# Altium PCB DSO.PcbDoc (part 2 of 2)
Units mil, origin at the board's own origin, x right, y up, seen from the top; angles counter-clockwise.
Board outline 4334 x 3942 mil, 2 copper layers (Top Layer, Bottom Layer), stack 61.855 mil thick; 129 components, 117 nets, 532 pads, 253 vias.
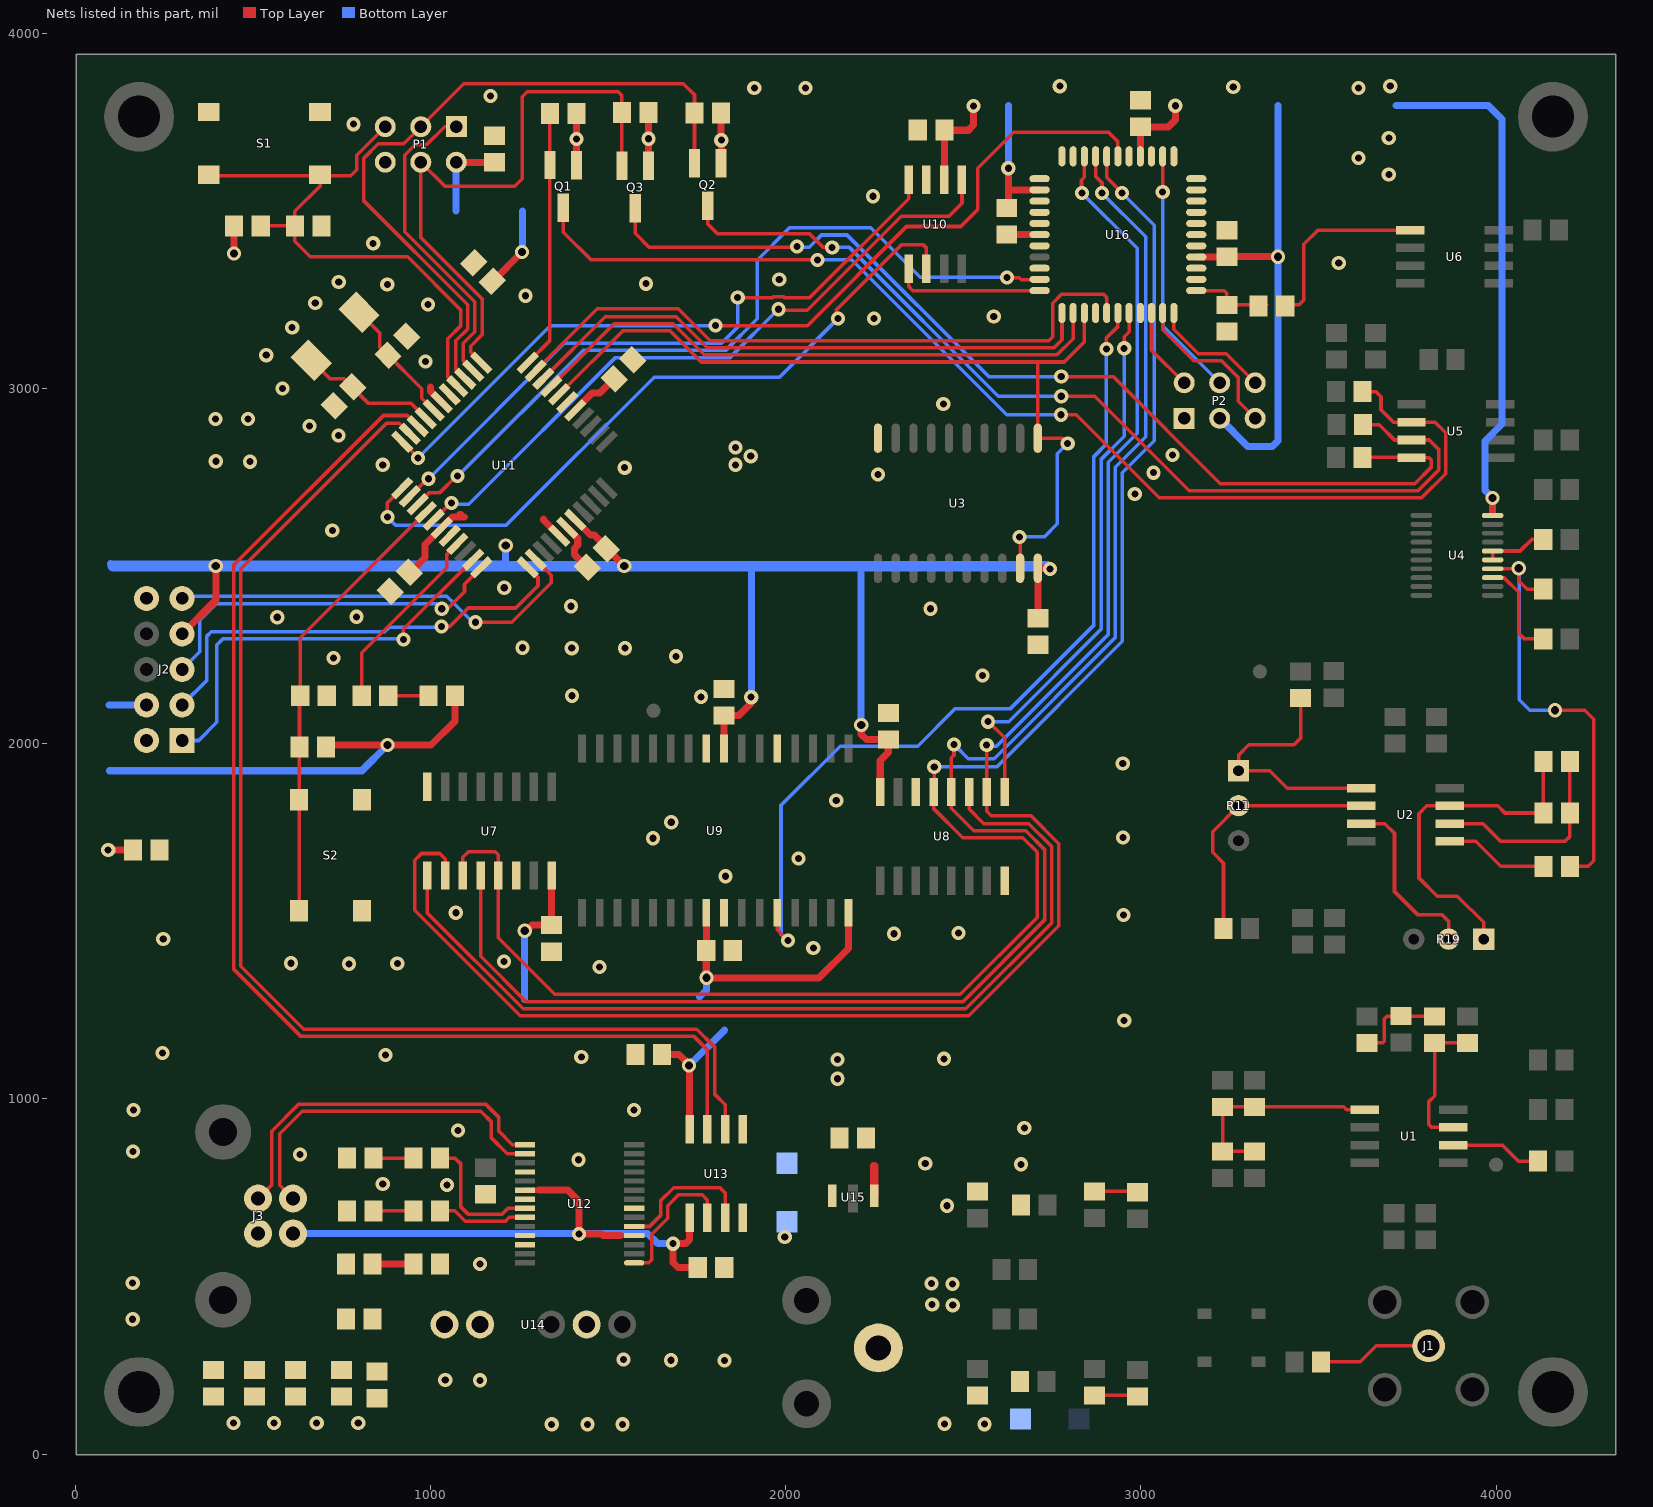
[diagram p2: the nets of this part, all layers, seen from the top]

## Via types
v1: diameter 40, hole 20, Top Layer to Bottom Layer, tented both sides, 208 vias
v2: diameter 40, hole 23, Top Layer to Bottom Layer, tented both sides, 44 vias
v3: diameter 40, hole 20, Top Layer to Bottom Layer, tented bottom, 1 vias

## Nets (pads, with @x,y where several pads share a name; then routed paths per layer and width w, separated by ;. In a path a pad name is that pad's centre, name@x,y a point inside that pad or via, vN(x,y) a via of type N, cw(c..) or ccw(c..) an arc to the next point about the centre after c; other vN are vias at no path point) (continued)
CLEAR_COUNT: U7.10 U8.10 U16.31 | length 4914.7
  Top Layer w10: U7.10@1041.52,1629 1041.52,1675.48 1026,1691 975,1691 956,1672 956,1530.78 1252.78,1234 2515.85,1234 2769,1487.15 2769,1718.85 2690.85,1797 2579,1797 2566.41,1809.59 U8.10@2566.41,1864 2566,1864.41 v1(2566,1996) ; v1(2834.36,3550) 2833,3551.36 2833,3586.48 2841.01,3594.49 U16.31@2841.01,3653.47
  Bottom Layer w10: v1(2566,1996) 2563,1993 2593.72,1993 2908,2307.28 2908,2792 2990,2874 2990,3394.36 v1(2834.36,3550)
COUNTER_CLK: U7.11 U7.13 U8.13 U16.29 | length 4847.1
  Top Layer w10: U7.11@1091.52,1629 1091.52,1680.39 1107.13,1696 1182.56,1696 1191.52,1687.04 U7.13@1191.52,1629 1191.52,1453.35 1349.87,1295 2492,1295 2708,1511 2708,1695 2668,1735 2499,1735 2416.41,1817.59 U8.13@2416.41,1864 2418.5,1866.09 v1(2418.5,1935) ; U16.29@2904,3653.47 2904,3594 v1@2947,3551
  Bottom Layer w10: v1@2416,1935 v1(2418.5,1935) 2595,1935 2948,2288 2948,2763 3038,2853 3038,3459.28 2947.28,3550 v1(2947,3550)
CPLD_TCK: P2.6 U16.11 | length 337.1
  Top Layer w10: U16.11@3092.98,3212.53 3092.98,3167.02 3162,3098 3240,3098 P2.6@3322,3016
CPLD_TD0: P2.4 U16.24 | length 704
  Top Layer w10: v1(3061.48,3553) U16.24@3061.48,3653.47
  Bottom Layer w10: v1(3061.48,3553) 3061.48,3176.52 P2.4@3222,3016
CPLD_TDI: P2.2 U16.9 | length 234.6
  Top Layer w10: U16.9@3029.99,3212.53 3029.99,3108.01 P2.2@3122,3016
CPLD_TMS: P2.5 U16.10 | length 450.1
  Top Layer w10: U16.10@3061.48,3212.53 3061.48,3165.52 3149,3078 3227,3078 3274,3031 3274,2964 P2.5@3322,2916
DGND: C15.2 C19.2 C20.2 C21.2 C22.2 C23.2 C24.1 C25.2 C26.2 C27.1 C28.2 C29.2 C30.2 C31.2 C32.2 C33.2 C40.2 C47.2 C48.2 C49.2 C50.2 J2.2 J2.10 N2.1 P1.6 P2.1 R21.2 S1.2 S2.2 U3.10 U7.8 U7.14 U8.8 U8.14 U9.5 U9.9 U9.25 U10.3 U11.6 U11.18 U11.28 U11.39 U13.5 U15.1 U16.4 U16.8 U16.13 U16.14 U16.16 U16.17 U16.18 U16.19 U16.20 U16.21 U16.22 U16.23 U16.25 U16.27 U16.32 U16.33 U16.34 U16.36 U16.37 U16.38 U16.39 U16.40 U16.42 | length 376.2
  Top Layer w19.68: U11.28@1385.21,2607.58 1414.95,2577.84 ; C48.2@2623.1,3433 U16.39@2715.03,3433
  Top Layer w20: 1000.55,3004.06 1000.55,2992.23 U11.6@1031.65,2961.13 ; 1414.95,2577.84 1414.95,2558.93 1406,2549.98 1406,2532.11 C30.2@1441.55,2496.55 ; 2247.41,813 2249.06,811.36 ; C48.2@2622.5,3433.6 C48.2@2623.1,3433
  Top Layer w23.6: U15.1@2249.06,727.87 2249.06,811.36
  other v1: 2393,817.9 2672,918 2446,1113 1425,1118 874,1124 246,1129 2953,1221 1476,1371.19 771,1380.33 907,1381 608,1382 1207.29,1387 2078,1425 248,1450 2305,1465 2487,1467 2951,1518 1071.61,1524.19 1831,1627 2036,1677 1627,1734 2950,1736 1678,1779 2142.64,1840 2949,1944 1761.97,2132 1399,2135 2554,2192 727,2241 1691.53,2246 1398,2269 1548,2269 1259,2270 569,2356 792,2357.13 2408,2380 1208,2439 724,2600 2983,2703 2260,2758 3035.28,2763 1547,2777 866,2785 1859,2785 492,2794 396,2795 1902,2809.4 3089.31,2812.85 1859,2834 741,2868 660,2894.32 395,2914 487,2914 2444,2956 584,3000 986,3076 538,3093.81 611,3172 2249,3197 2586,3203 993.56,3236.55 675.99,3240.87 1268,3261 878.83,3293 1607,3295 742,3300 1982,3307.02 3557,3352.82 839,3408.61 2246,3541 3698,3602 3613,3649 3698,3705 784,3744 1169,3823 1912,3846 2056,3846 3613,3846 3260,3849 2772,3851 3702,3851
  other v3: 1396.12,2387
DIV2BUF: C1.2 C2.1 R1.1 R3.2 U1.5 | length 618.3
  Top Layer w10: C1.2@3320,852.4 R1.1@3230,852.4 R3.2@3230,977.6 C2.1@3320,977.6 3571.4,977.6 3579,970 U1.5@3630,970
DVCC: C15.1 C19.1 C20.1 C21.1 C22.1 C23.1 C28.1 C29.1 C30.1 C31.1 C32.1 C33.1 C40.1 C47.1 C48.1 C49.1 C50.1 D3.A J2.4 J2.7 P1.2 P2.3 Q1.1 Q2.1 Q3.1 R12.2 R13.2 R23.1 R25.1 R27.1 U3.20 U4.20 U7.16 U8.16 U9.8 U9.24 U9.32 U10.2 U11.5 U11.17 U11.27 U11.29 U11.38 U13.8 U15.3 U16.15 U16.26 U16.35 | length 12828.7
  Top Layer w19.68: 984.95,2560.88 U11.17@1031.65,2607.58 1061.75,2637.67 1095.47,2637.67 ; 1082.53,2645 1086,2645 ; 1318.4,2629.85 U11.27@1362.94,2585.31 ; U11.29@1407.48,2629.85 1450.33,2587 ; U11.38@1407.48,2938.86 1455.69,2987.07 1461.62,2987.07 ; 2633.5,3558.98 U16.35@2715.03,3558.98 ; U16.26@2998.49,3653.47 C47.1@2998.5,3736.6 ; U16.15@3155.97,3370.01 C49.1@3241.91,3370.01
  Top Layer w20: v1(93,1701) C28.1@162.6,1701 ; J2.7@301,2309 396,2404 v2(396,2500) ; v2(447.6,3379.6) R12.2@447.6,3458 ; R13.2@706.4,1991 711.4,1996 v2(879,1996) 1002.23,1996 1069.4,2063.17 D3.A@1069.4,2135 ; C29.1@940.45,2482.45 943.62,2482.45 984.95,2523.78 984.95,2560.88 ; P1.2@1073,3637 1073.4,3636.6 C33.1@1181,3636.6 ; C32.1@1174.45,3301.55 1175.55,3301.55 v2(1258,3384) ; v2(1265.5,1473.5) 1270.5,1473.5 1286.4,1489.4 C19.1@1341,1489.4 1341.52,1489.92 U7.16@1341.52,1629 ; 1318.4,2629.85 1318.4,2633 ; Q1.1@1411,3629.4 v1(1411,3702) 1411.4,3702.4 R23.1@1411.4,3774 ; 1450.33,2587 1462,2587 1494.45,2554.55 C30.1@1494.45,2549.45 1496.55,2549.45 v2(1546,2500) ; 1461.62,2987.07 1476.96,2987.07 C31.1@1517.45,3027.55 ; Q3.1@1613.9,3627 1614,3627.1 v1(1614,3703) v1(1614,3703) R27.1@1614.07,3777 ; C40.1@1652.4,1125 1700,1125 1730,1095 U13.8@1730,915 ; U9.24@1776.84,1524.19 1776.84,1417.76 C21.1@1776.6,1417.52 1776.6,1341.4 v2(1777,1341) 2094,1341 2176.84,1423.84 U9.32@2176.84,1524.19 ; Q2.1@1818.4,3634 1819,3634.6 v1(1819,3699) 1818.4,3699.6 R25.1@1818.4,3775 ; U9.8@1826.84,1987.18 1827,1987.34 C22.1@1827,2076.16 ; C22.1@1827,2079.16 1868.16,2079.16 1903,2114 v1(1903,2131) ; v2(2213,2053) 2213,2026 2227.4,2011.6 C20.1@2289,2011.6 2289,1975 2266.41,1952.41 U8.16@2266.41,1864 ; U10.2@2446.5,3587.33 2446.9,3587.73 C23.1@2446.9,3727 2514,3727 2529,3742 v1(2529,3795) ; C48.1@2621.1,3507 C48.1@2622.5,3508.4 C48.1@2622.5,3512.9 ; C48.1@2627,3512.9 2627,3552.48 ; v1(2627,3620) 2627,3552.48 ; 2633.5,3558.98 2627,3552.48 ; C15.1@2710,2353.4 U3.20@2710,2493.93 2743.07,2493.93 2745,2492 v1(2744,2492) ; C47.1@2998.5,3736.6 3077.6,3736.6 3097,3756 v1(3097,3796) ; C49.1@3241.91,3370.01 C49.1@3242.5,3370.6 ; C49.1@3242.9,3371 v2(3386,3371) ; U4.20@3990,2644.78 v2(3990,2692)
  Top Layer w30: Q1.1@1411,3629.4 Q1.1@1411.4,3629
  Bottom Layer w20: 95,2109 J2.4@201,2109 ; 97,1924 807,1924 v2(879,1996) ; 100,2507 106.77,2500.23 ; 1072,3500 1072,3636 P1.2@1073,3637 ; 1211,2500.23 1212,2501.23 v2(1212,2558) ; v2(1258,3384) 1259,3385 1259,3499 ; v2@1265,1473 v2(1265.5,1473.5) 1265.5,1280 ; v1(1614,3703) v1@1615,3702 ; v2(1728,1094) 1828.5,1194.5 ; 1758,1287 1777,1306 v2(1777,1341) ; v1(1819,3699) v1@1820,3698 ; v1@1904,2132 1904,2500 ; v2@2212,2053 2212,2500 ; v1(2627,3620) 2627,3796 ; P2.3@3222,2916 3301,2837 3370,2837 3386,2853 v2(3386,3371) 3386,3796 ; 3719,3797 3978,3797 4017,3758 4017,2899.79 3968.6,2851.39 3968.6,2713.4 v2(3990,2692)
  Bottom Layer w30: 106.77,2500.23 1211,2500.23 v2(1546,2500) 1904,2500 2212,2500 2737,2500 2745,2492 v1(2744,2492)
  other v1: 2146.13,1057 2146,1111
EDGE_SW: U11.43 U16.5 | length 1873.5
  Top Layer w10: U11.43@1296.12,3050.22 1469.91,3224 1698.14,3224 1787.64,3134.5 2740.5,3134.5 2752,3146 2752,3240.34 2776.66,3265 2895,3265 2904,3256 U16.5@2904,3212.53
ENABLE: U11.42 U16.1 | length 1652.8
  Top Layer w10: U11.42@1318.4,3027.95 1492.45,3202 1691.85,3202 1779.35,3114.5 2755.5,3114.5 2778.02,3137.02 U16.1@2778.02,3212.53
ENABLE_COUNT: U7.12 U8.12 U16.30 | length 4715.2
  Top Layer w10: U7.12@1141.52,1629 1141.52,1401.83 1269.35,1274 2499.28,1274 2729,1503.72 2729,1702.28 2676.28,1755 2530,1755 2466.41,1818.59 U8.12@2466.41,1864 2466.41,1960.39 2474,1967.98 v1(2474,1998) ; U16.30@2872.51,3653.47 2872.51,3597.21 2890.68,3579.04 v1(2890.68,3550)
  Bottom Layer w10: v1(2474,1998) 2514,1958 2587,1958 2928,2299 2928,2778 3014,2864 3014,3426.68 v1(2890.68,3550)
FAST_CLK: U10.5 U16.44 | length 423.6
  Top Layer w10: U10.5@2346.5,3337.33 2346.5,3287 2357.98,3275.52 U16.44@2715.03,3275.52
FILL_COMP: U11.11 U16.28 | length 2533.5
  Top Layer w10: U11.11@920.3,2849.78 v1(965.51,2804.57) ; v1(1803,3177) 2061.45,3177 2340.45,3456 2493,3456 2541,3504 2541,3620 2642,3721 2909,3721 2935.5,3694.5 U16.28@2935.5,3653.47
  Bottom Layer w10: v1(965.51,2804.57) 1337.94,3177 v1(1803,3177)
FORCE: U11.41 U16.2 | length 1669.4
  Top Layer w10: U11.41@1340.67,3005.67 1516.99,3182 1683.57,3182 1771.07,3094.5 2763.78,3094.5 2809.52,3140.23 U16.2@2809.52,3212.53
GND: C43.2 C44.2 C45.1 C46.1 N1.0 N2.0 TP5.1 U14.4
  other v1: 1341.5,84 1442.5,84 1540.5,84 2559.5,84.5 2447.5,85.5 1827.9,263.5 1677.5,264.5 1543.5,266.5 2470.5,419.54 2412.5,421.03 2469.5,479.5 2410.5,480.5 1997.5,611.5 2454.5,699.5 2663,816
IN\: C8.1 U4.15 U4.16 | length 180.7
  Top Layer w10: U4.15@3990.39,2517.5 U4.16@3990.39,2542.5 4067.5,2542.5 4100,2575 C8.1@4132.6,2575
IN_CLK: U10.1 U11.16 | length 1932.4
  Top Layer w10: U11.16@1009.38,2629.85 v1@1048,2668.47 ; v1@1975,3220 2060.72,3220 2325.72,3485 2460,3485 2496.5,3521.5 U10.1@2496.5,3587.33
  Bottom Layer w10: v1@1050,2678 1050,2680.26 1049.75,2680.26 1049.75,2674.37 1108.37,2674.37 1521,3087 1843.65,3087 v1(1979.65,3223)
  other v1: 1059.19,2678
NetC3_2: C3.2 R4.1 R5.2 | length 258.4
  Top Layer w10: C3.2@3637,1157.6 3680,1157.6 3685,1162.6 3685,1225 3693.4,1233.4 R4.1@3732,1233.4 3733,1232.4 R5.2@3827,1232.4
NetC6_1: C6.1 R5.1 U1.3 | length 401.2
  Top Layer w10: U1.3@3880,920 3818,920 3811,927 3811,993 3827,1009 3827,1156 3828.6,1157.6 C6.1@3920,1157.6
NetC11_1: C11.1 R9.1 U2.6 | length 574.6
  Top Layer w10: U2.6@3870,1775 3963,1775 4012,1726 4195,1726 4207.9,1738.9 R9.1@4207.9,1805 C11.1@4207.9,1950
NetC11_2: C11.2 R9.2 R19.1 U2.7 | length 974.3
  Top Layer w10: R19.1@3965,1450 3965,1497 3891,1571 3834,1571 3783,1622 3783,1803 3805,1825 U2.7@3870,1825 4005,1825 4025,1805 R9.2@4133.1,1805 C11.2@4133.1,1950
NetC35_1: C35.1 L1.2 | length 115.2
  Top Layer w20: L1.2@836.9,535.04 C35.1@952.1,535.04
NetD3_K: D3.K R14.2 | length 113.2
  Top Layer w10: R14.2@881.4,2135 D3.K@994.6,2135
NetD4_K: D4.K R15.2 | length 112.4
  Top Layer w10: D4.K@840.17,685 R15.2@952.6,685
NetD5_K: D5.K R16.2 | length 112.4
  Top Layer w10: D5.K@840.17,833.5 R16.2@952.6,833.5
NetD6_A: D6.A R17.1 | length 121
  Top Layer w10: R17.1@2870,739.7 2987.7,739.7 D6.A@2990,737.4
NetD7_K: D7.K R18.1 | length 121.1
  Top Layer w10: R18.1@2870,165.37 2987.23,165.37 D7.K@2990,162.6
NetJ1_1: J1.1 R2.2 | length 321.2
  Top Layer w10: R2.2@3507.4,260 3618,260 3663,305 J1.1@3810,305
NetR6_2: R6.2 U1.2 | length 256.2
  Top Layer w10: U1.2@3880,870 4018,870 4063,825 R6.2@4117.6,825
NetR7_2: R7.2 R11.1 U2.1 | length 700.8
  Top Layer w10: R7.2@3450,2112.6 3450,2016 3431,1997 3304,1997 3275,1968 R11.1@3275,1924 3363,1924 3412,1875 U2.1@3620,1875
NetR8_1: R8.1 R11.2 U2.2 | length 733.7
  Top Layer w10: R8.1@3232.6,1480 3232.6,1663.4 3202,1694 3202,1752.57 R11.2@3275,1825.57 3619.43,1825.57 U2.2@3620,1825
NetR10_2: R10.2 U2.5 | length 292.1
  Top Layer w10: U2.5@3870,1725 3943,1725 4013,1655 R10.2@4133.1,1655
NetR20_2: R20.2 U6.1 | length 508.3
  Top Layer w10: R20.2@3428.9,3235.4 3445.4,3235.4 3459,3249 3459,3406 3499,3446 U6.1@3758,3446
OVERFLOW: U7.9 U8.11 | length 2613.6
  Top Layer w10: U7.9@991.52,1629 991.52,1523.54 1261.06,1254 2507.57,1254 2749,1495.43 2749,1710.57 2684.57,1775 2558,1775 2516.41,1816.59 U8.11@2516.41,1864
PLL_S0: U10.6 U11.12 | length 2035.3
  Top Layer w10: v1(879,2638) 879,2677.63 U11.12@920.3,2718.93 ; v1@2143,3194 2143,3221 2326,3404 2388,3404 2396.5,3395.5 U10.6@2396.5,3337.33
  Bottom Layer w10: v1(879,2638) 902,2615 1213,2615 1630,3032 1982.65,3032 v1(2147.65,3197)
PLL_S1: U10.4 U11.13 | length 1854.3
  Top Layer w10: U11.13@942.57,2696.66 991.91,2746 v1(995,2746) ; v1(1865,3256) 1963.16,3256 1965.16,3258 1994.15,3258 1996.15,3256 2068.43,3256 2346.5,3534.07 U10.4@2346.5,3587.33
  Bottom Layer w10: v1(995,2746) 1376.35,3127.35 1819.35,3127.35 1865,3173 v1(1865,3256)
R\A\M\_\R\E\A\D\: U9.28 U16.6 | length 2493.6
  Top Layer w10: U9.28@1976.84,1524.19 1976.84,1476.16 v1(2007,1446) ; v1@2913,3117 2907,3111 v1(2903,3111) 2903,3142 2935.5,3174.5 U16.6@2935.5,3212.53
  Bottom Layer w10: v1(2007,1446) 2007,1444 1987,1464 1987,1826.43 2153.57,1993 2372,1993 2478,2099 2633,2099 2868,2334 2868,2808.57 2903,2843.57 v1(2903,3111)
R\E\S\E\T\: C24.2 P1.5 R12.1 S1.1 U11.4 | length 1695.4
  Top Layer w10: S1.1@378.5,3598.42 689.5,3598.42 689.83,3601.38 689.83,3607.42 S1.1@690.5,3607.42 ; R12.1@522.4,3458 C24.2@618.6,3458 ; P1.5@873,3737 793,3657 793,3616 776,3599 698.91,3599 693,3604.92 S1.1@690.5,3607.42 ; U11.4@1076.2,3005.67 1076.2,3005.9 1049,3033.1 1049,3139.85 1085,3175.85 1085,3222 936,3371 662,3371 618.6,3414.4 C24.2@618.6,3458 ; C24.2@618.6,3458 618.6,3498.6 690.5,3570.5 S1.1@690.5,3607.42
RAM_FULL: U8.9 U16.7 | length 1566.8
  Top Layer w10: v1(2570,2062) 2571,2062 2616.41,2016.59 U8.9@2616.41,1864 ; v1(2953,3113) 2953,3146 2967,3160 U16.7@2967,3212.53
  Bottom Layer w10: v1(2570,2062) 2628,2062 2888,2322 2888,2800.28 2953,2865.28 v1(2953,3113)
RAM_READ: U3.1 U3.19 U11.40 U16.3 | length 2447.1
  Top Layer w10: U11.40@1362.94,2983.4 1541.53,3162 1675.28,3162 1762.78,3074.5 2710,3074.5 ; v1(2658,2582) 2658,2566.33 2660,2564.33 U3.19@2660,2493.93 ; v1(2794,2845) 2778.93,2860.07 U3.1@2710,2860.07 2710,3074.5 ; U16.3@2841.01,3212.53 2841.01,3131.01 2784.5,3074.5 2710,3074.5
  Bottom Layer w10: v1(2658,2582) 2728,2582 2765,2619 2765,2816 v1(2794,2845)
REF_LS: R19.2 U2.3 | length 506.2
  Top Layer w10: U2.3@3620,1775 3687,1775 3714,1748 3714,1584 3780,1518 3848,1518 3866.57,1499.43 R19.2@3866.57,1450
REFB: C10.1 U4.13 | length 281
  Top Layer w10: U4.13@3990.39,2467.5 4022.5,2467.5 4064,2426 4064,2311 4080,2295 C10.1@4132.6,2295
REFT: C9.1 R10.1 U4.14 | length 1267.7
  Top Layer w10: U4.14@3990.39,2492.5 4050.5,2492.5 v2@4064,2479 ; v2(4064,2494) v2@4064,2479 ; C9.1@4132.6,2435 4088,2435 4064,2459 v2@4064,2479 ; v2(4166,2094) 4250,2094 4275,2069 4275,1671 4259,1655 R10.1@4207.9,1655
  Bottom Layer w10: v2(4064,2494) 4065,2493 4065,2124 4095,2094 v2(4166,2094)
RUN: R14.1 U11.19 | length 539.7
  Top Layer w10: R14.1@806.6,2135 806.6,2256.1 1046,2495.5 1046,2532.84 U11.19@1076.2,2563.04
RX_ISO: U12.1 U13.2 | length 404.9
  Top Layer w10: U12.1@1573.54,538.66 1614.66,538.66 1623,547 1623,618.72 1668,663.72 1668,699.5 1698.5,730 1765,730 1780,715 U13.2@1780,665
RX_MCU: U11.9 U13.7 | length 3493.5
  Top Layer w10: U11.9@964.84,2894.32 935.16,2924 868,2924 446,2502 446,1365.71 635.71,1176 1742,1176 1780,1138 U13.7@1780,915
RXLED: R16.1 U12.22 | length 381.9
  Top Layer w10: R16.1@1027.4,833.5 1069.5,833.5 1086,817 1086,696 1106,676 1202.37,676 1218.57,692.2 U12.22@1266.46,692.2
SCK: P1.3 Q2.2 R25.2 U11.3 | length 1989.5
  Top Layer w10: U11.3@1098.47,3027.95 1071.61,3054.8 1071.61,3134.18 1105,3167.57 1105,3235.72 813,3527.72 813,3648.72 853.28,3689 925,3689 P1.3@973,3737 1094,3858 1712,3858 1743.6,3826.4 R25.2@1743.6,3775 Q2.2@1743.6,3634
SCK_U: Q2.3 R24.1 U5.3 | length 2743.3
  Top Layer w10: Q2.3@1781,3514 1781,3463 1809,3435 2068,3435 2106,3397 v1(2131,3397) ; v1(2776,2978) 2870,2978 3136,2712 3780,2712 3838,2770 3838,2829 3812,2855 U5.3@3762,2855 3714,2855 3671,2898 R24.1@3625.4,2898
  Bottom Layer w10: v1(2131,3397) 2179.72,3397 2598.72,2978 v1(2776,2978)
SDA: P1.4 Q3.2 R27.2 U11.1 | length 1703.9
  Top Layer w10: U11.1@1143.01,3072.49 1143.01,3072.77 1113.28,3102.5 1113.28,3119.28 1146,3152 1146,3252 973,3425 P1.4@973,3637 1041,3569 1238,3569 1259,3590 1259,3821 1273,3835 1529,3835 1539.1,3824.9 Q3.2@1539.1,3627
SDA_U: Q3.3 R26.1 U5.4 | length 2865.8
  Top Layer w10: Q3.3@1576.5,3507 1576.5,3437.1 1615.6,3398 2030,3398 v1(2032,3400) ; v1@2776,3033.5 2922.07,3033.5 3223.57,2732 3771,2732 3818,2779 3818,2798 3811,2805 U5.4@3762,2805 3761,2806 R26.1@3624.4,2806
  Bottom Layer w10: v1@2034,3398 2067,3398 2101,3432 2173,3432 2571.5,3033.5 v1@2776,3033.5
  other v1: 2776,3034
SLA: P1.1 U11.2 | length 891.4
  Top Layer w10: P1.1@1073,3737 1040,3737 989,3686 957,3686 927.84,3656.84 927.84,3441.16 1125,3244 1125,3159.28 1093,3127.28 1093,3077.95 U11.2@1120.74,3050.22
SLOW_CLK: U11.14 U16.43 | length 2228.9
  Top Layer w10: U11.14@964.84,2674.39 997.45,2707 1027,2707 1074,2754 v1(1076.2,2754) ; v1(2623,3312) 2658,3312 2664,3306 U16.43@2714.01,3306
  Bottom Layer w10: v1@1074,2754 v1(1076.2,2754) ; v1@1076,2752 1431,3107 1831,3107 1920,3196 1920,3361 2011,3452 2240,3452 2379,3313 2608,3313 v1@2617,3304
T_CS: Q1.2 R23.2 U11.44 | length 727.5
  Top Layer w10: U11.44@1273.85,3072.49 1336.6,3135.23 Q1.2@1336.6,3629 R23.2@1336.6,3774
T_CS_U: Q1.3 R22.1 U5.2 | length 3309.3
  Top Layer w10: Q1.3@1374,3509 1374,3440.05 1452.05,3362 v1(2090,3362) ; v1(2775,2926) 2818,2926 3052,2692 3790,2692 3858,2760 3858,2875 3828,2905 U5.2@3762,2905 3711,2905 3676,2940 3676,2977 3662,2991 R22.1@3624.4,2991
  Bottom Layer w10: v1(2090,3362) 2186.43,3362 2622.43,2926 v1(2775,2926)
TCK: J2.1 U11.21 | length 1179.1
  Top Layer w10: v1(924,2293) 924,2321.76 U11.21@1120.74,2518.49
  Bottom Layer w10: J2.1@301,2009 348,2009 399,2060 399,2278 416,2295 917,2295 v1@924,2288
TDI: J2.9 U11.24 | length 1201.7
  Top Layer w10: v1(1127,2342) 1229,2342 1340,2453 1340,2474.62 U11.24@1296.12,2518.49
  Bottom Layer w10: J2.9@301,2409 307,2415 1046.5,2415 1067,2394.5 1067,2394 1119,2342 v1(1127,2342)
TDO: J2.3 U11.23 | length 1276.4
  Top Layer w10: v1(1031.65,2330) 1055,2330 1107,2382 1240,2382 1303,2445 1303,2468 U11.23@1275,2496
  Bottom Layer w10: J2.3@301,2109 371,2179 371,2303 383,2315 871.75,2315 884.75,2328 1029.65,2328 v1(1031.65,2330)
TMS: J2.5 U11.22 | length 1037.1
  Top Layer w10: v1(1032,2380) 1048,2380 1096,2428 1096,2449.21 U11.22@1143.01,2496.22
  Bottom Layer w10: J2.5@301,2209 351,2259 351,2348 397,2394 1018,2394 v1(1032,2380)
TRIG_MCU: C27.2 R13.1 S2.1 U11.15 | length 1270.4
  Top Layer w10: S2.1@630.42,1529.5 S2.1@630.42,1842.5 630.42,1989.82 R13.1@631.6,1991 631.6,2133 C27.2@633.6,2135 633.6,2298.61 U11.15@987.11,2652.12
TRIG_OUT: R20.1 R21.1 U16.12 | length 233.8
  Top Layer w10: U16.12@3155.97,3275.52 3234.48,3275.52 3242,3268 R21.1@3242,3235.4 R20.1@3354.1,3235.4
TX_ISO: U12.5 U13.3 | length 402.1
  Top Layer w10: U12.5@1573.54,641.02 1617.02,641.02 1648,672 1648,713 1685,750 1815.4,750 1830,735.4 U13.3@1830,665
TX_MCU: U11.10 U13.6 | length 3448.7
  Top Layer w10: U11.10@942.57,2872.05 912.62,2902 876.28,2902 466,2491.72 466,1374 644,1196 1750.28,1196 1800,1146.28 1800,1014 1830,984 U13.6@1830,915
TXLED: R15.1 U12.23 | length 255.5
  Top Layer w10: R15.1@1027.4,685 1068.72,685 1097.72,656 1211.6,656 1222.21,666.61 U12.23@1266.46,666.61
USBD_N: J3.2 U12.16 | length 990.5
  Top Layer w10: J3.2@613.43,720 576,757.43 576,902 639.71,965.71 1141.45,965.71 1172,935.16 1172,890 1216.25,845.75 U12.16@1266.46,845.75
USBD_P: J3.3 U12.15 | length 1020
  Top Layer w10: J3.3@515,720 553,758 553,909 629.71,985.71 1155.29,985.71 1192,949 1192,910.29 1230.96,871.34 U12.15@1266.46,871.34
USBGND: C35.2 C36.2 C37.2 C38.2 C39.2 C41.2 C42.2 C51.2 J3.4 U12.7 U12.18 U12.21 U12.25 U12.26 U13.4 U14.2
  other v1: 446,88 560,88 680,88 797,88 1140,208 1042,208.61 162,380 162,482 1140,535 1047,758 866,761 1417,829 633,844 163,852 1078,911 164,969 1573,969
USBVCC: C37.1 C38.1 C39.1 C41.1 C51.1 D4.A D5.A J3.1 L1.1 L2.2 U12.4 U12.20 U13.1 | length 1736.2
  Top Layer w14.9: U12.20@1266.46,743.39 1305.17,743.39 ; 1535,615.43 U12.4@1573.54,615.43
  Top Layer w20: 1305.17,743.39 1386.61,743.39 1418,712 v1(1418,620) 1482,620 1486.57,615.43 1535,615.43 ; U13.1@1730,665 1730,604.35 1718.25,592.6 v1(1683,592.6) 1683,540 1697.33,525.67 C51.1@1752.6,525.67
  Bottom Layer w20: J3.1@613.43,621.57 1611.43,621.57 1640.4,592.6 v1(1683,592.6)
USBVCCO: C42.1 L2.1 U14.1
XTAL1: C26.1 U11.8 X1.2 | length 389.7
  Top Layer w10: X1.2@665.01,3079.82 716.82,3028 755.55,3028 824.55,2959 944.7,2959 U11.8@987.11,2916.59
XTAL2: C25.1 U11.7 X1.1 | length 362.3
  Top Layer w10: X1.1@799.33,3214.14 857,3156.47 857,3117.75 C25.1@880.71,3094.04 975.55,2999.19 975.55,2972.69 U11.7@1009.38,2938.86
pads on no net: J2.6 J2.8 J3. R11.3 U6.5 U6.6 U6.7 U10.7 U10.8 U11.20 U11.25 U11.26 U12.2 U12.3 U12.6 U12.8 U12.9 U12.10 U12.11 U12.12 U12.13 U12.14 U12.19 U12.24 U12.27 U12.28

## Polygon pours and split planes (outlines as drawn)
USBVCC on Top Layer "NONET_L-01_P-001" (solid, remove dead copper, pour order 81): 737,356 644,263 641.71,263 363,263 361,261 361,236 361,212 780,212 780,265 780,339 791,350 791,402 737,402
USBGND on Top Layer "NONET_L-01_P-001" (solid, remove dead copper, pour order 80): 45.19,1023.19 47.19,1025.19 1573.19,1025.19 1604.19,1025.19 1617.19,1012.19 1624.19,1005.19 1624.19,838.19 1624.19,810.19 1649.19,785.19 1654.19,780.19 1906.19,780.19 1908.19,780.19 1929.19,759.19 1929.19,484.19 1908.19,463.19 1270.19,463.19 1248.19,463.19 1229.19,444.19 1201.19,416.19 1201.19,39.19 45.19,39.19 44.19,40.19 44.19,1024.19
AVEE on Top Layer "NONET_L-01_P-001" (solid, remove dead copper, pour order 76): 2656,350 2690,350 2715,325 2715,306 2715,242 2708,235 2708,175 2709,174 2761,174 2797,210 2801,214 2844,214 2899,214 2900,215 2900,219.2 2900,266.5 2873,293.5 2873,362 2851,362 2814,399 2808,399 2797,399 2732,399 2725,406 2721,410 2656,410
AVCC on Top Layer "NONET_L-01_P-001" (solid, remove dead copper, pour order 73): 2711,732 2764,732 2765,731 2805,691 2841,691 2899,691 2900,690 2900,564.08 2900,564 2845,509 2836,500 2809,500 2765,500 2755,490 2656,490 2656,558.18 2676,578.18 2711,613.18 2711,732
GND on Top Layer "NONET_L-01_P-001" (solid, remove dead copper, pour order 71): 1226.34,416.95 1249.34,439.95 1720.34,439.95 1917.34,439.95 1951.34,473.95 1951.34,475.95 1951.34,665.95 1968.34,682.95 2401.8,682.95 2463.34,745.33 2463.34,810.95 2493.34,840.95 2680.34,840.95 2695.34,825.95 2695.34,654.95 2694.34,653.95 2639.34,598.95 2639.34,564.08 2639.34,320.95 2692.34,267.95 2692.34,256.95 2692.34,44.95 1703.73,44.95 1226.34,44.95 1226.34,50.95
5V_N on Top Layer "NONET_L-01_P-001" (solid, remove dead copper, pour order 69): 2052,209 2162,209 2165,209 2181,193 2204,170 2274,170 2341,170 2401,230 2437,266 2480,266 2580,366 2580,410 2634,410 2634,350 2634,349 2583,298 2570,285 2570,250 2570,214 2511,214 2485,214 2478,207 2346,75 2041,75
5V_N on Top Layer "NONET_L-01_P-001" (solid, remove dead copper, pour order 66): 1301,366 1301,302 1301,257.8 1433.18,125.62 1499,125.62 1949.38,125.62 1992,83 2000,75 2069,75 2069,132 2069,198 2069,209 2058,209 1956,209 1469.17,209 1378.17,300 1378.17,366
5V_P on Top Layer "NONET_L-01_P-001" (solid, remove dead copper, pour order 65): 2223,655.04 2472.04,655.04 2507,690 2570,690 2570,614 2634,550 2634,490 2581,490 2581,548.08 2575.08,554 2223,554
5V_P on Top Layer "NONET_L-01_P-001" (solid, remove dead copper, pour order 62): 1540,404 1871,404 1955,404 2087,536 2150.63,599.63 2150.63,645.19 2229.18,645.19 2229.37,565 2229.37,553.37 2192,516 2127,451 2127,430 2092,395 2062,365 2054.66,365 2016,365 1996,345 1984,333 1977,326 1539,326 1539,404 1541,404
USBVCC on Top Layer "NONET_L-01_P-001" (solid, remove dead copper, pour order 60): 738,714 738,863 791,863 791,714
USBVCC on Top Layer "NONET_L-01_P-001" (solid, remove dead copper, pour order 59): 791,714 791,350 737,350 737,564 730,571 718,583 613,583 613,660 661,660 684,660 738,714
USBVCCO on Top Layer "NONET_L-01_P-001" (solid, remove dead copper, pour order 58): 812,409 866,409 875,400 1040,400 1040,330 1035,335 950,335 945,335 890,280 879,269 879,220 820,220 820,290 812,298
AGND on Top Layer "Top Layer-No Net" (solid, remove dead copper, pour order 68): 3505.88,3108.98 3836,3109 3836,2946.46 3884,2897.93 3884,2744.49 3801.52,2669 3506,2669 3506,3109
DVCC on Top Layer "Top Layer-No Net" (solid, pour order 72): 1210,2522 1238,2522 1246,2530 1476.84,2760.84 1476.84,2778 1476.84,2808 1233.84,3051 1184.65,3051 1184,3051 936,2803 935,2802 935,2782 935,2779 1192,2522
DVCC on Top Layer "NONET_L-01_P-001" (solid, remove dead copper, pour order 82): 2119,696.81 2143,696.81 2143,793 2166,816 2166,1135 2126,1135 2126,861 2125,860 2125,821 2119,815
DGND on Top Layer "Top Layer-No Net" (solid, remove dead copper, pour order 75): 63,1050 1615,1050 1659,1006 1659,831 1682,808 1937,808 1956,789 2431,789 2431,822 2484,875 2686,875 3006,1195 3006,2338 3050,2382 3805.55,2382 3805.55,2617.97 3806.58,2619 3802.58,2623 3482,2623 3482,3261 3504,3283 3641,3283 3641,3425 3647,3431 3691,3431 3691,3465 3707,3481 3745,3481 3745,3889 3747,3891 60,3889
AGND on Top Layer "NONET_L-01_P-001" (solid, remove dead copper, pour order 77): 2792,201 2711,282 2711,879 3032,1200 3032,1471 3032,2326 3059,2353 4295,2353 4295,40 2792,40
AGND on Top Layer "Top Layer-No Net" (solid, remove dead copper, pour order 64): 3827.89,2331.29 3829,2633 3505,2633 3505,2656 3821.54,2656 3893.26,2729.4 3892.73,2911.14 3851,2947.56 3851,3123 3739,3124 3624,3124 3505,3125 3505,3258 3661,3258 3661,3412 3745.28,3411.67 3767.24,3430.72 3769.55,3432.72 3770,3879 4279,3879 4279,3866 4277.98,2328.29
GND on Bottom Layer "NONET_L-01_P-001" (solid, remove dead copper, pour order 70): 1226,417 1249,440 1917,440 1951,474 1951,666 1968,683 2401,683 2463,745 2463,811 2493,841 2680,841 2695,826 2695,655 2639,599 2639,321 2692,268 2692,44 1226,44
USBGND on Bottom Layer "NONET_L-01_P-001" (solid, remove dead copper, pour order 61): 1624,1006 1604,1026 44,1026 44,1003 44,55 64,55 1201,55 1201,417 1248,464 1908,464 1929,485 1929,760 1908,781 1654,781 1624,811
AGND on Bottom Layer "Top Layer-No Net" (solid, remove dead copper, pour order 67): 3505,3109 3835.12,3109.02 3835.12,2946.47 3883.12,2897.95 3883.12,2744.51 3800.63,2669.02 3505.12,2669.02 3505.12,3109.02
AGND on Bottom Layer "NONET_L-01_P-001" (solid, remove dead copper, pour order 79): 2792,55 2792,195 2711,276 2711,388 2711,614 2711,880 3032,1201 3032,2326 3059,2353 4281,2353 4281,55
AGND on Bottom Layer "Top Layer-No Net" (solid, remove dead copper, pour order 63): 3827.8,2305.69 3829,2633 3505,2633 3505,2656 3821.54,2656 3893.26,2729.4 3892.73,2911.14 3851,2947.56 3851,3123 3739,3124 3624,3124 3505,3125 3505,3258 3661,3258 3661,3412 3745.28,3411.67 3767.24,3430.72 3769.55,3432.72 3770,3878 4279,3879 4279,3866 4277.96,2302.69
DVCC on Bottom Layer "Top Layer-No Net" (solid, remove dead copper, pour order 78): 2239,3686 2327,3774 3742,3774 3742,3816 2305,3816 2228,3739 2228,3686
DVCC on Bottom Layer "NONET_L-01_P-001" (solid, remove dead copper, pour order 83): 2126,1089 1897,1089 1730,1256 125,1256 69,1312 69,3041 552,3524 1289,3524 1360,3595 1360,3698 1380,3718 2207,3718 2228,3739 2292,3739 2239,3686 1401,3686 1394,3679 1394,3583 1288,3477 580,3477 120,3017 120,1342 157,1305 420,1305 1763,1305 1933,1135 2166,1135 2166,1025 2126,1025
DGND on Bottom Layer "Top Layer-No Net" (solid, remove dead copper, pour order 74): 63,1052 1615,1052 1659,1008 1659,833 1682,810 1937,810 1956,791 2431,791 2431,824 2484,877 2686,877 3006,1197 3006,2340 3050,2384 3805.55,2384 3805.55,2619.97 3806.58,2621 3802.58,2625 3482,2625 3482,3263 3504,3285 3641,3285 3641,3427 3647,3433 3691,3433 3691,3467 3707,3483 3745,3483 3745,3891 3747,3893 53,3891

## Keep-outs
Keep-Out Layer:
  lines w10: 5,359 5,981 45,981 45,3875 45,3895 70,3895 4295,3895 4295,75 4295,40 4250,40 75,40 45,40 45,75 45,359 5,359

## Silkscreen, mask and mechanical layers (free items; w line width, h text height)
Top Overlay:
  text "Huawang Liu" at 135,3027 h55 r90
  text "855983" at 220,3027 h55 r90
Bottom Overlay:
  text "Huawang Liu" at 141,3574 h55 r90
  text "855983" at 226,3574 h55 r90
Mechanical 1:
  the board outline again, w20

## Text inside footprints (layer, text, board x,y; h text height)
P1: Top Overlay "1" at 1115,3801 h50 r90
P2: Top Overlay "1" at 3049,2868 h50